# Altium PCB gd.PcbDoc
Units mil, origin at the board's own origin, x right, y up, seen from the top; angles counter-clockwise.
Board outline 3070.87 x 3070.87 mil, 4 copper layers (Top Layer, GND, VCC, Bottom Layer), stack 30.634 mil thick; 62 components, 52 nets, 465 pads, 100 vias.
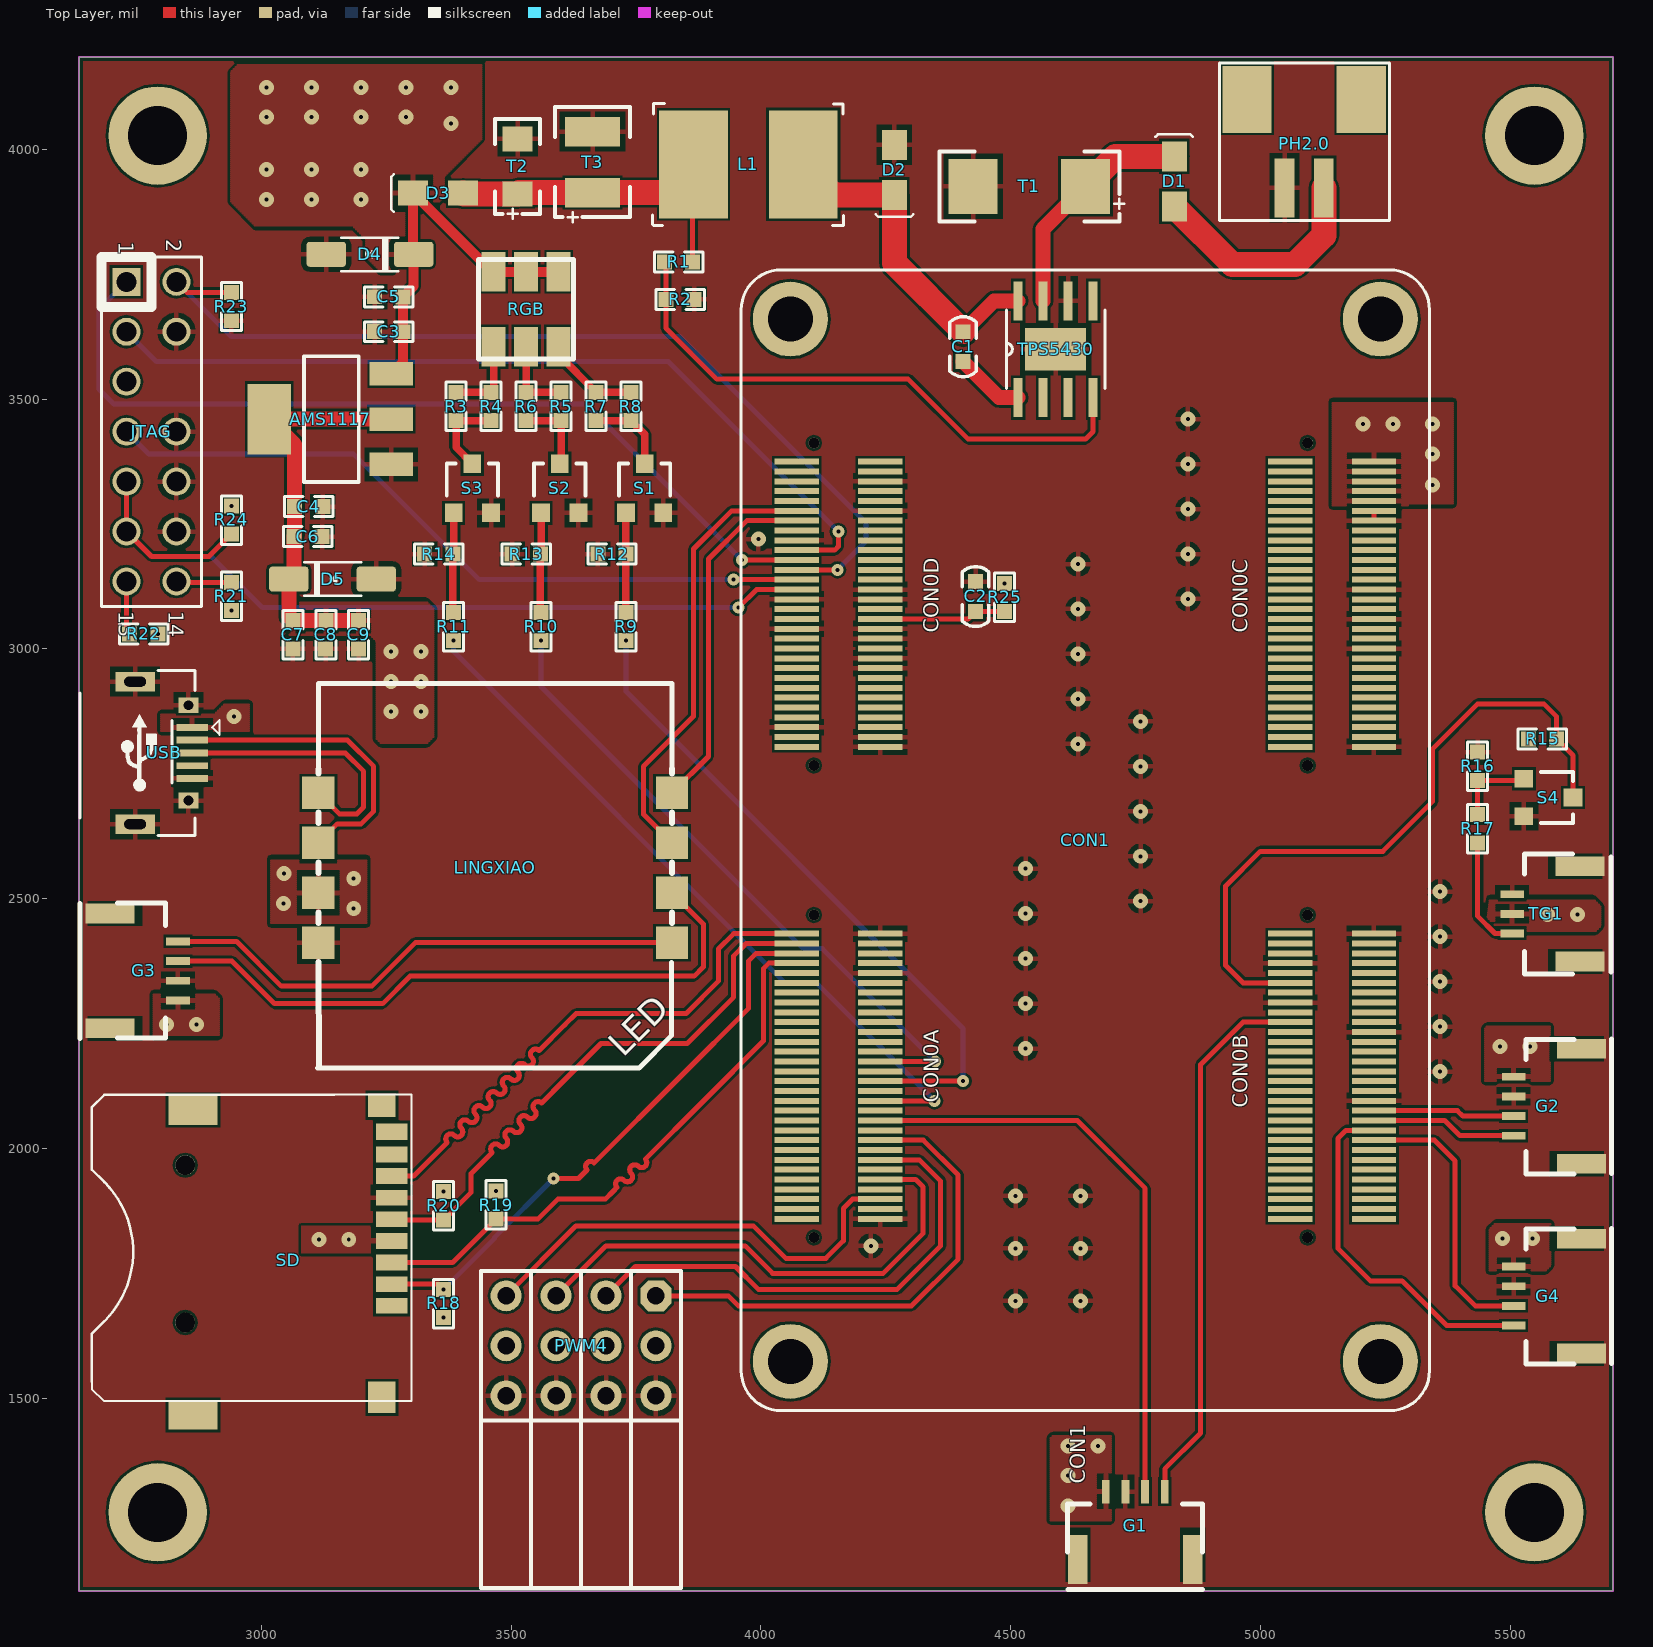
[diagram p0: Top Layer view]
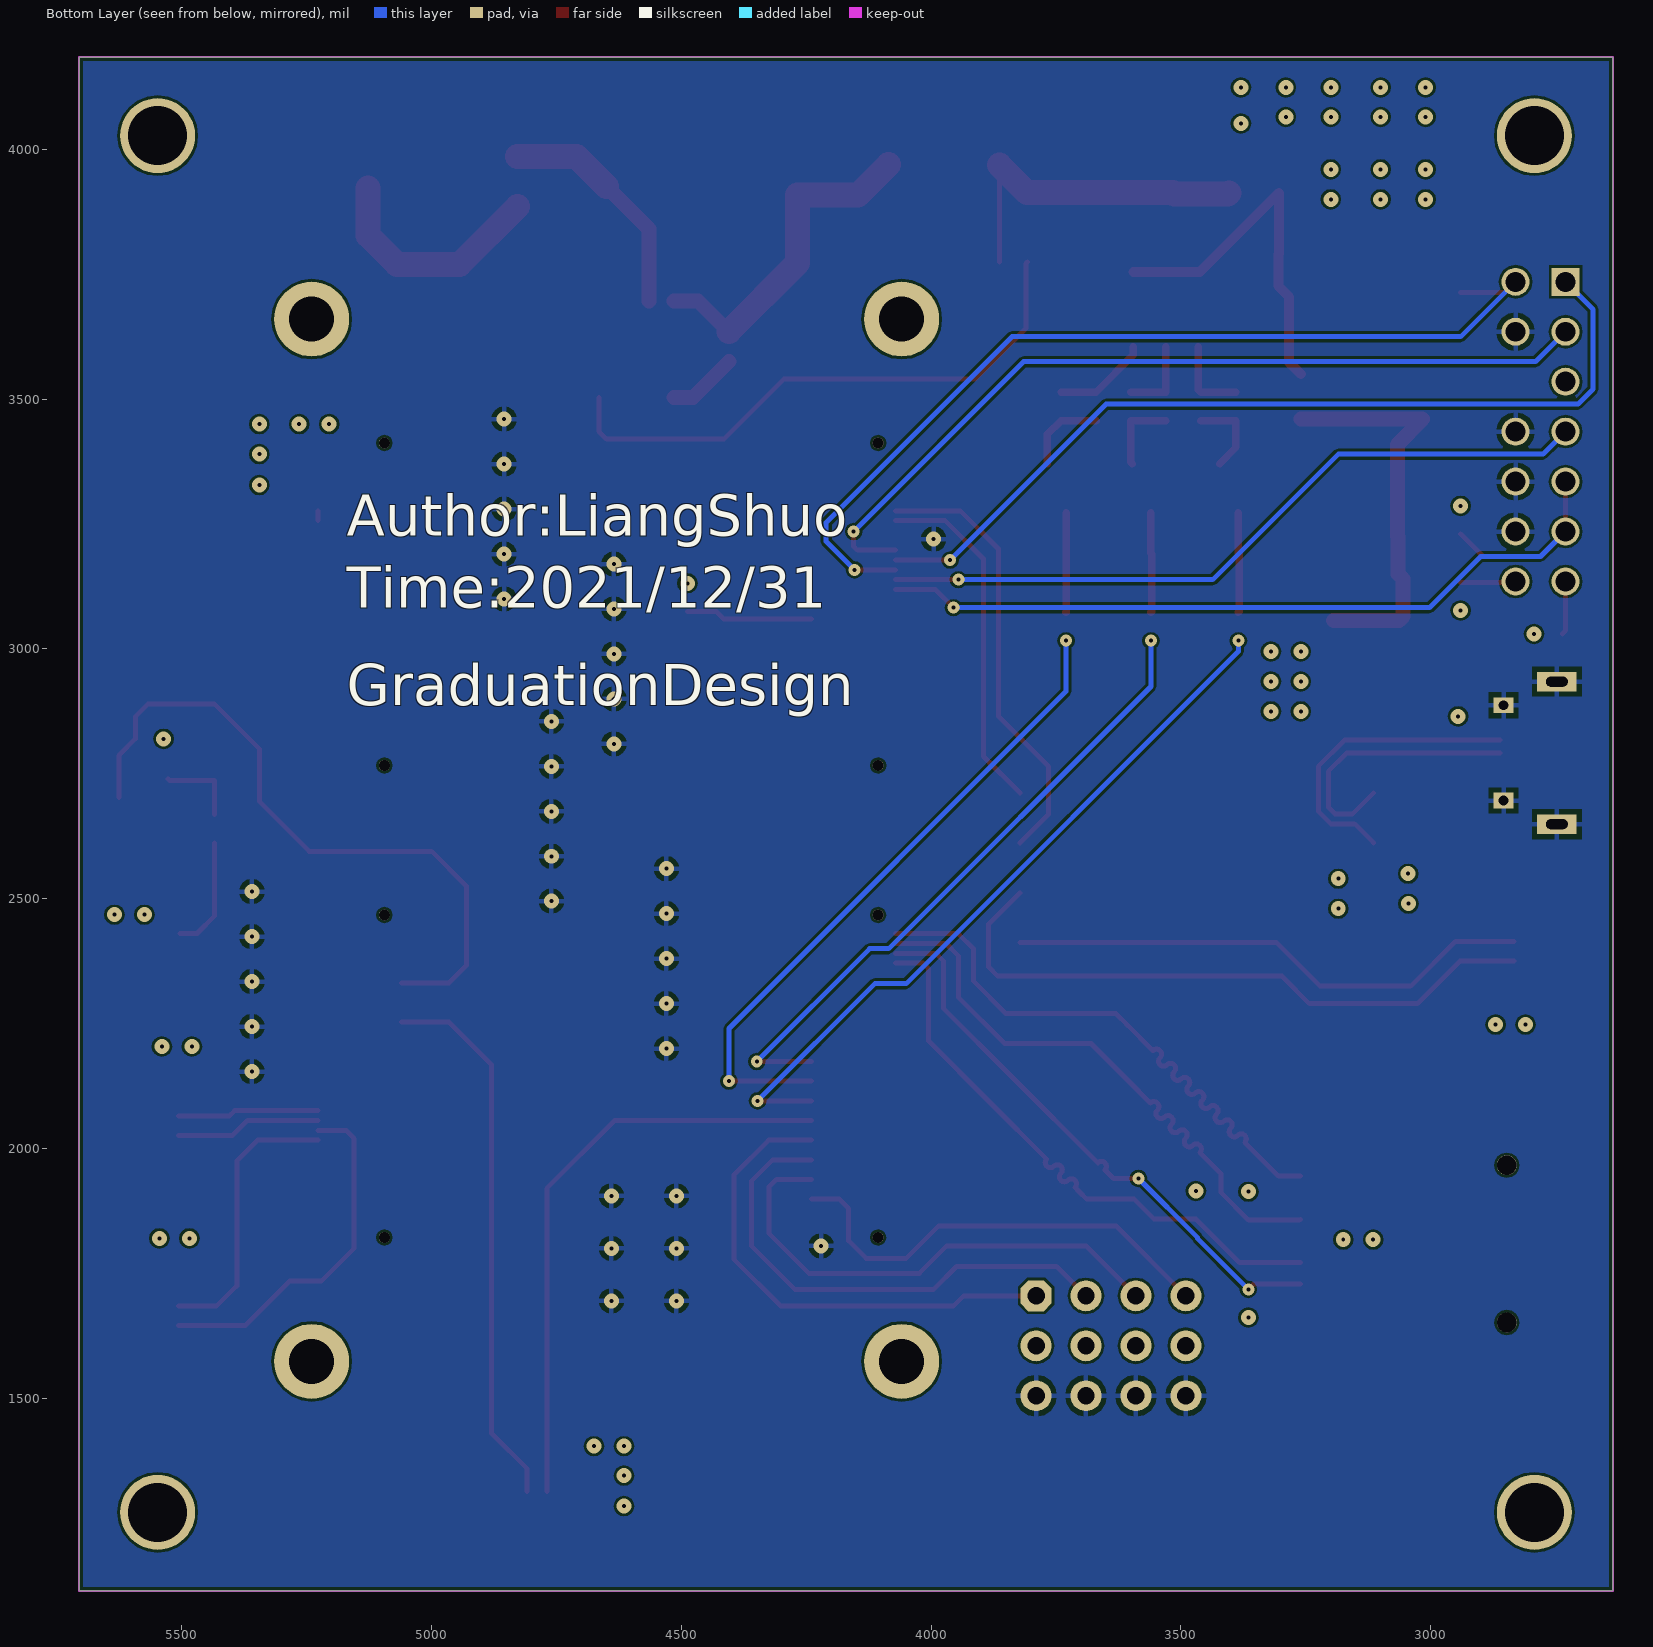
[diagram p1: Bottom Layer view, seen from below]
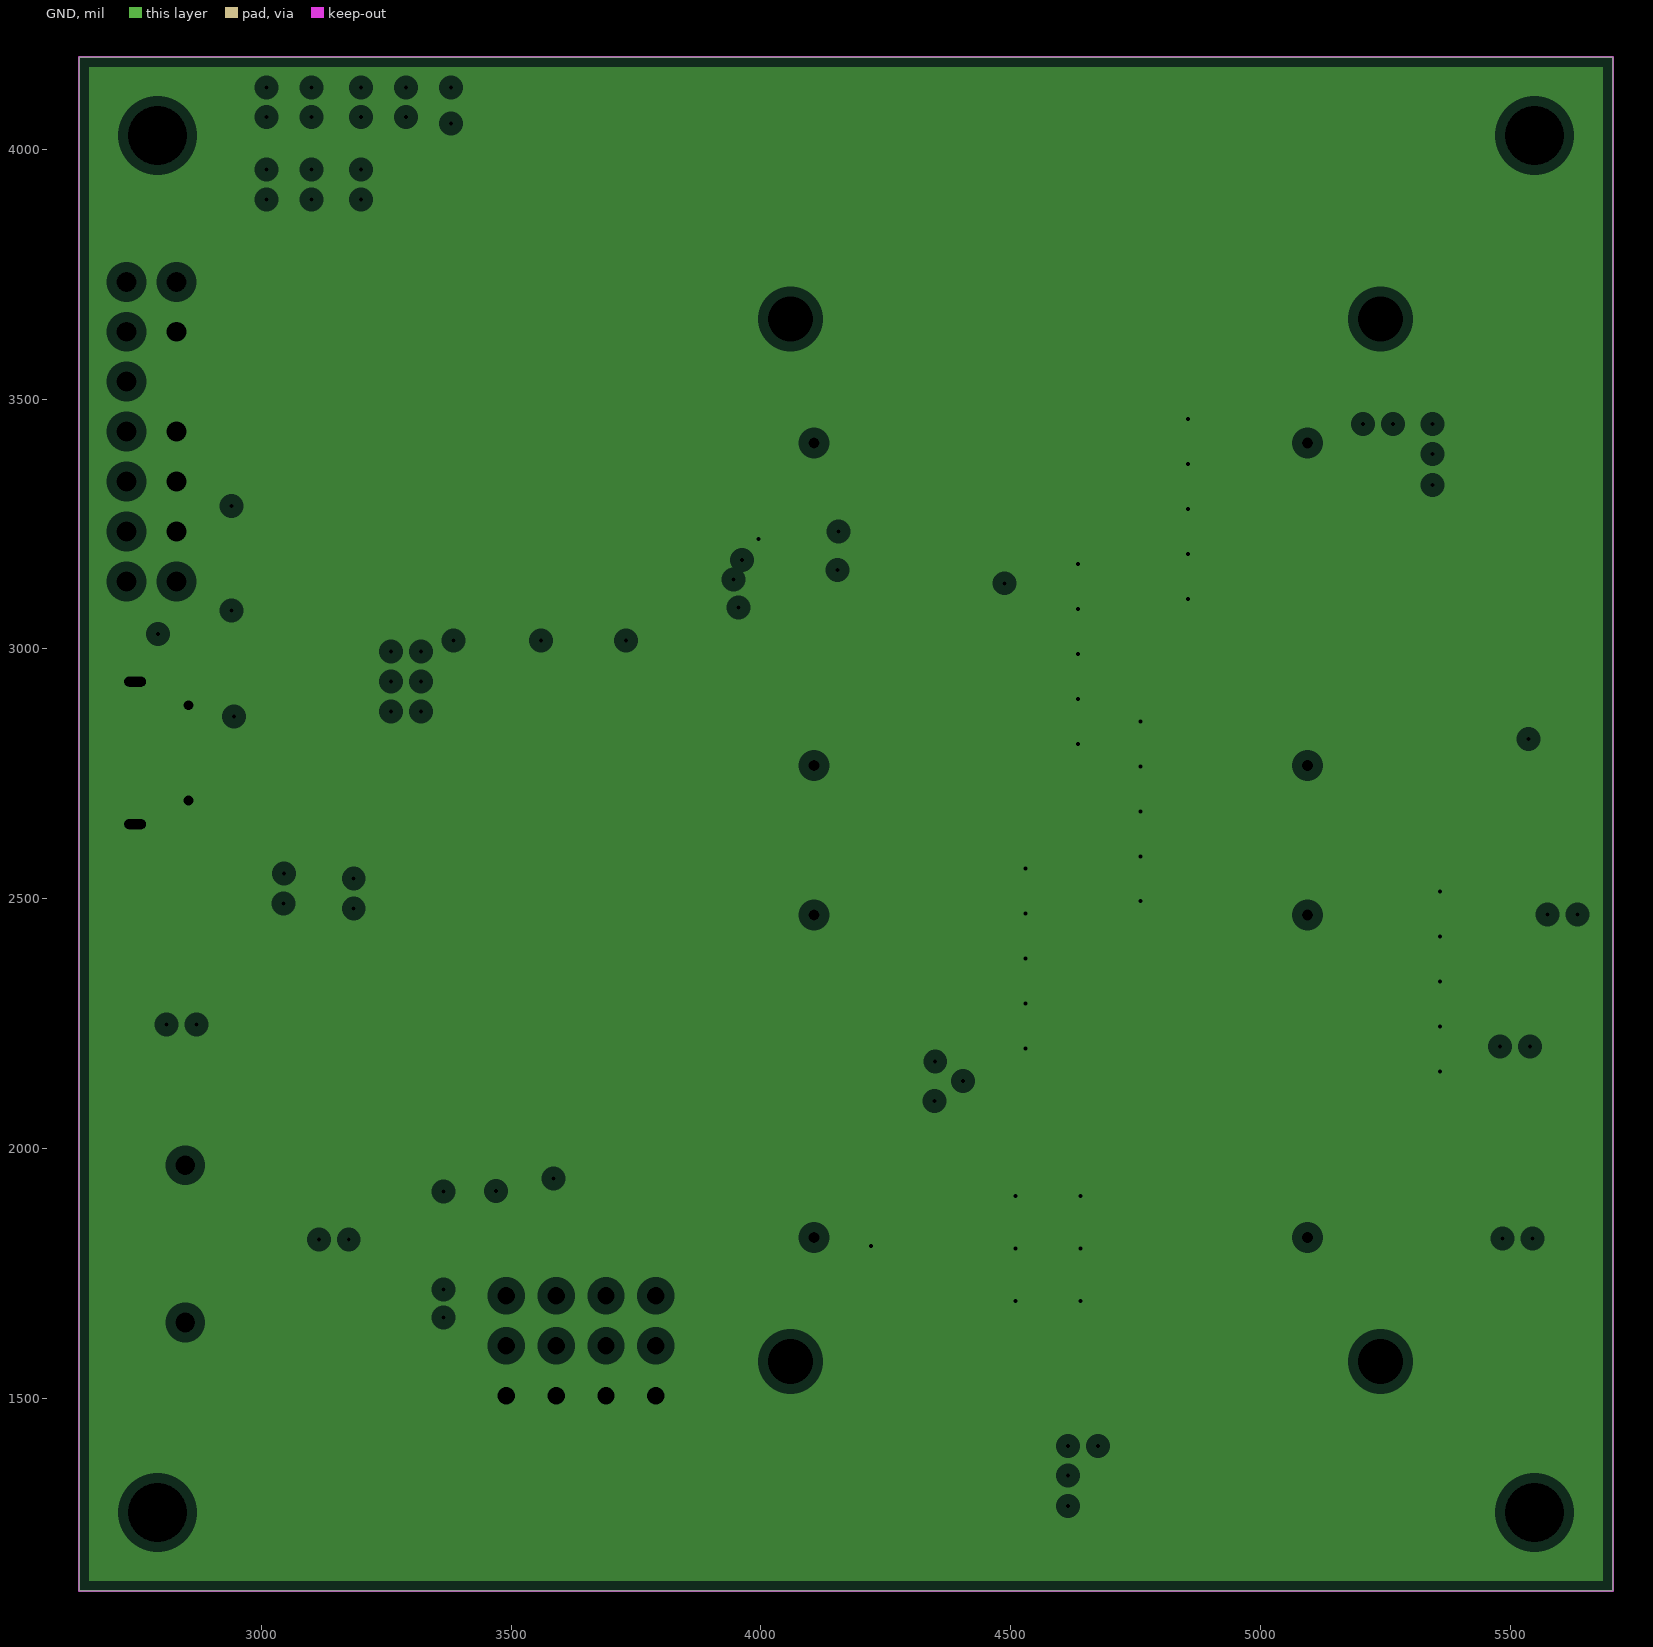
[diagram p2: GND, clearances drawn from the general rule]
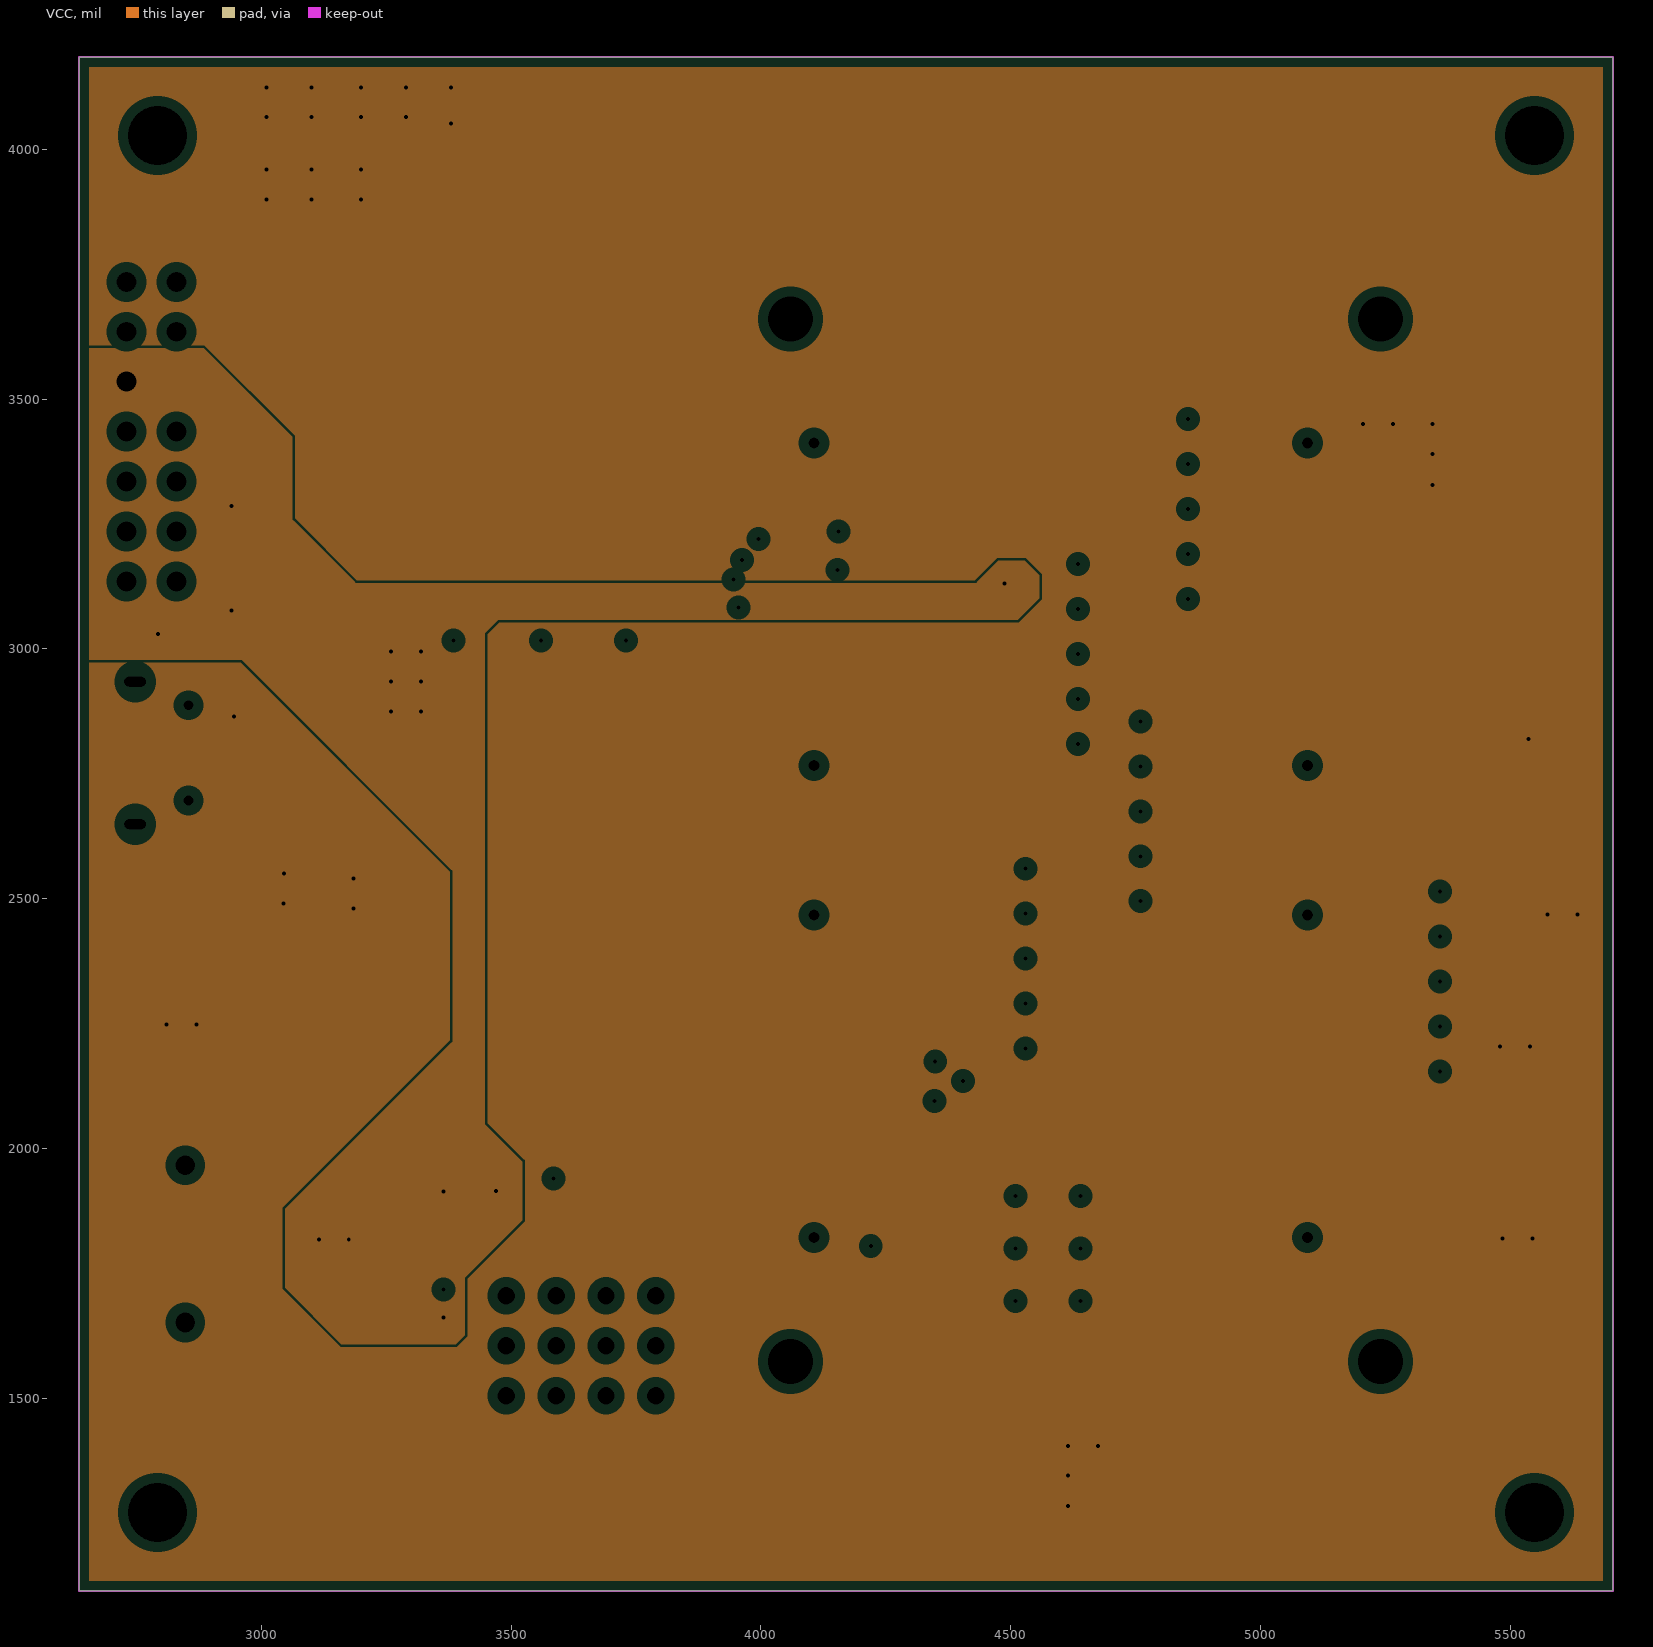
[diagram p3: VCC, clearances drawn from the general rule]

## Layer stack, top to bottom
Top Solder: solder mask 0.4, Solder Resist, Dk 3.5
Top Layer: signal copper 1.4
Dielectric 1: core 10, FR-4, Dk 4.2
GND: plane copper 1.417, net GND
Dielectric 4: prepreg 5, Dk 4.2
VCC: plane copper 1.417, net 5V
Dielectric 3: core 10, Dk 4.2
Bottom Layer: signal copper 1.4
Bottom Solder: solder mask 0.4, Solder Resist, Dk 3.5

## Board outline
2635,1114.13 5705.87,1114.13 5705.87,4185 2635,4185

## Design rules (kind name [scope] priority, off if disabled: settings)
Clearance [All] p1: gap=5 ignorepadtopadclearanceinfootprint=TRUE
PlaneClearance [All] p1: clearance=20
PlaneConnect [All] p1: planeconnectstyle=Relief reliefexpansion=20 reliefentries=4 reliefconductorwidth=20 reliefairgap=10
PolygonConnect [All] p1: connectstyle=Relief reliefconductorwidth=10 reliefentries=4 polygonreliefangle="90 Angle" airgapwidth=10
RoutingVias [All] p1: holewidth=28 width=50 viastyle="Through Hole" minholewidth=28 minwidth=50 maxholewidth=28 maxwidth=50
SolderMaskExpansion [All] p1: expansion=4
Width [All] p1: maxlimit=50 minlimit=5.5 preferedwidth=10
28 further rules are at their usual default settings.

## Classes and differential pairs
net class spi: CLK SIMO SOMI STE

## Components (designator, comment, footprint, x,y, rotation, side; value= is the part's Value field where it differs from the comment)
AMS1117 "AMS1117-3.3" SOT-223 3260,3369.45 r90 top locked
C1 "10NF" C0603 4405,3605 r90 top locked
C2 "0.1UF" C0603 4430,3105 r270 top locked
C3 "C0.1UF" X0603 3255,3635 r0 top locked
C4 "C0.1UF" X0603 3095,3285 r180 top locked
C5 "C10UF" X0603 3255,3705 r0 top locked
C6 "C10UF" X0603 3093.5,3225 r180 top locked
C7 "C0.1UF" X0603 3063,3028 r90 top locked
C8 "C1UF" X0603 3129,3028 r90 top locked
C9 "C0.01UF" X0603 3195,3028 r90 top locked
CON1 "B2B_COMBINE" B2B_0D50_60P_28377 4651.56,2617.46 r90 top locked
D1 "IN5819" IN5819 4830,3935 r180 top locked
D2 "IN5819" IN5819 4265,3960 r0 top locked
D3 "IN5819" IN5819 3355,3915 r270 top locked
D4 "B340A" B340A 3215,3790 r180 top locked
D5 "B340A" B340A 3145,3140 r0 top locked
G1 "GH4P" GH4P 4755,1220 r180 top locked
G2 "GH4P" GH4P 5600,2090 r270 top locked
G3 "GH4P" GH4P 2740,2350 r90 top locked
G4 "GH4P" GH4P 5600,1710 r270 top locked
JTAG "JTAG14" CON2X7PA_2-54MM-N6 2776.5,3438.5 r270 top locked
L1 "L" L 3970,3975 r90 top locked
LINGXIAO "LINGXIAO" LINGXIAO 3480,2555 r0 top locked
PH2.0 "PH2.0" PH2.0 5090,4030 r180 top locked
PWM4 "PWM4P" PWM4P 3640,1460 r0 top locked
R1 "50K" X0603 3835,3775 r0 top locked
R2 "15K" X0603 3838,3699.94 r0 top locked
R3 "50" X0603 3390,3485 r90 top locked
R4 "50" X0603 3460,3485 r90 top locked
R5 "50" X0603 3600,3485 r90 top locked
R6 "50" X0603 3530,3485 r90 top locked
R7 "50" X0603 3670,3485 r90 top locked
R8 "50" X0603 3740,3485 r90 top locked
R9 "1K" X0603 3730,3045 r270 top locked
R10 "1K" X0603 3560,3045 r270 top locked
R11 "1K" X0603 3385,3045 r270 top locked
R12 "10K" X0603 3701.5,3190 r0 top locked
R13 "10K" X0603 3530,3190 r0 top locked
R14 "10K" X0603 3355,3190 r0 top locked
R15 "10K" X0603 5565,2820 r180 top locked
R16 "10K" X0603 5435,2765 r90 top locked
R17 "1K" X0603 5435,2640 r90 top locked
R18 "47K" X0603 3365,1690 r270 top locked
R19 "47K" X0603 3470,1886.5 r90 top locked
R20 "47K" X0603 3365,1885 r90 top locked
R21 "4.7K" X0603 2940,3105 r90 top locked
R22 "4.7K" X0603 2765,3030 r180 top locked
R23 "2.2K" X0603 2940,3685 r90 top locked
R24 "2.2K" X0603 2940,3258.5 r270 top locked
R25 "4.7K" X0603 4488,3103 r90 top locked
RGB "RGB" RGB 3530,3680 r270 top locked
S1 "SI2310" SI2310 3770,3320 r0 top locked
S2 "SI2310" SI2310 3600,3320 r0 top locked
S3 "SI2310" SI2310 3425,3320 r0 top locked
S4 "SI2310" SI2310 5575,2700 r270 top locked
SD "sd" sd 2995,1840 r180 top locked
T1 "T100UF" T100UF 4540,3925 r90 top locked
T2 "T10UF" T10UF 3510,3965 r270 top locked
T3 "T47UF" T47UF 3665,3975 r0 top locked
TG1 "GH3P" GH3P 5603.9,2469.69 r90 top locked
TPS5430 "TPS5430" TPS5430 4590,3600 r0 top locked
USB "USB" USB 2760,2795 r180 top locked
